# KiCad board panel.kicad_pcb (continued)
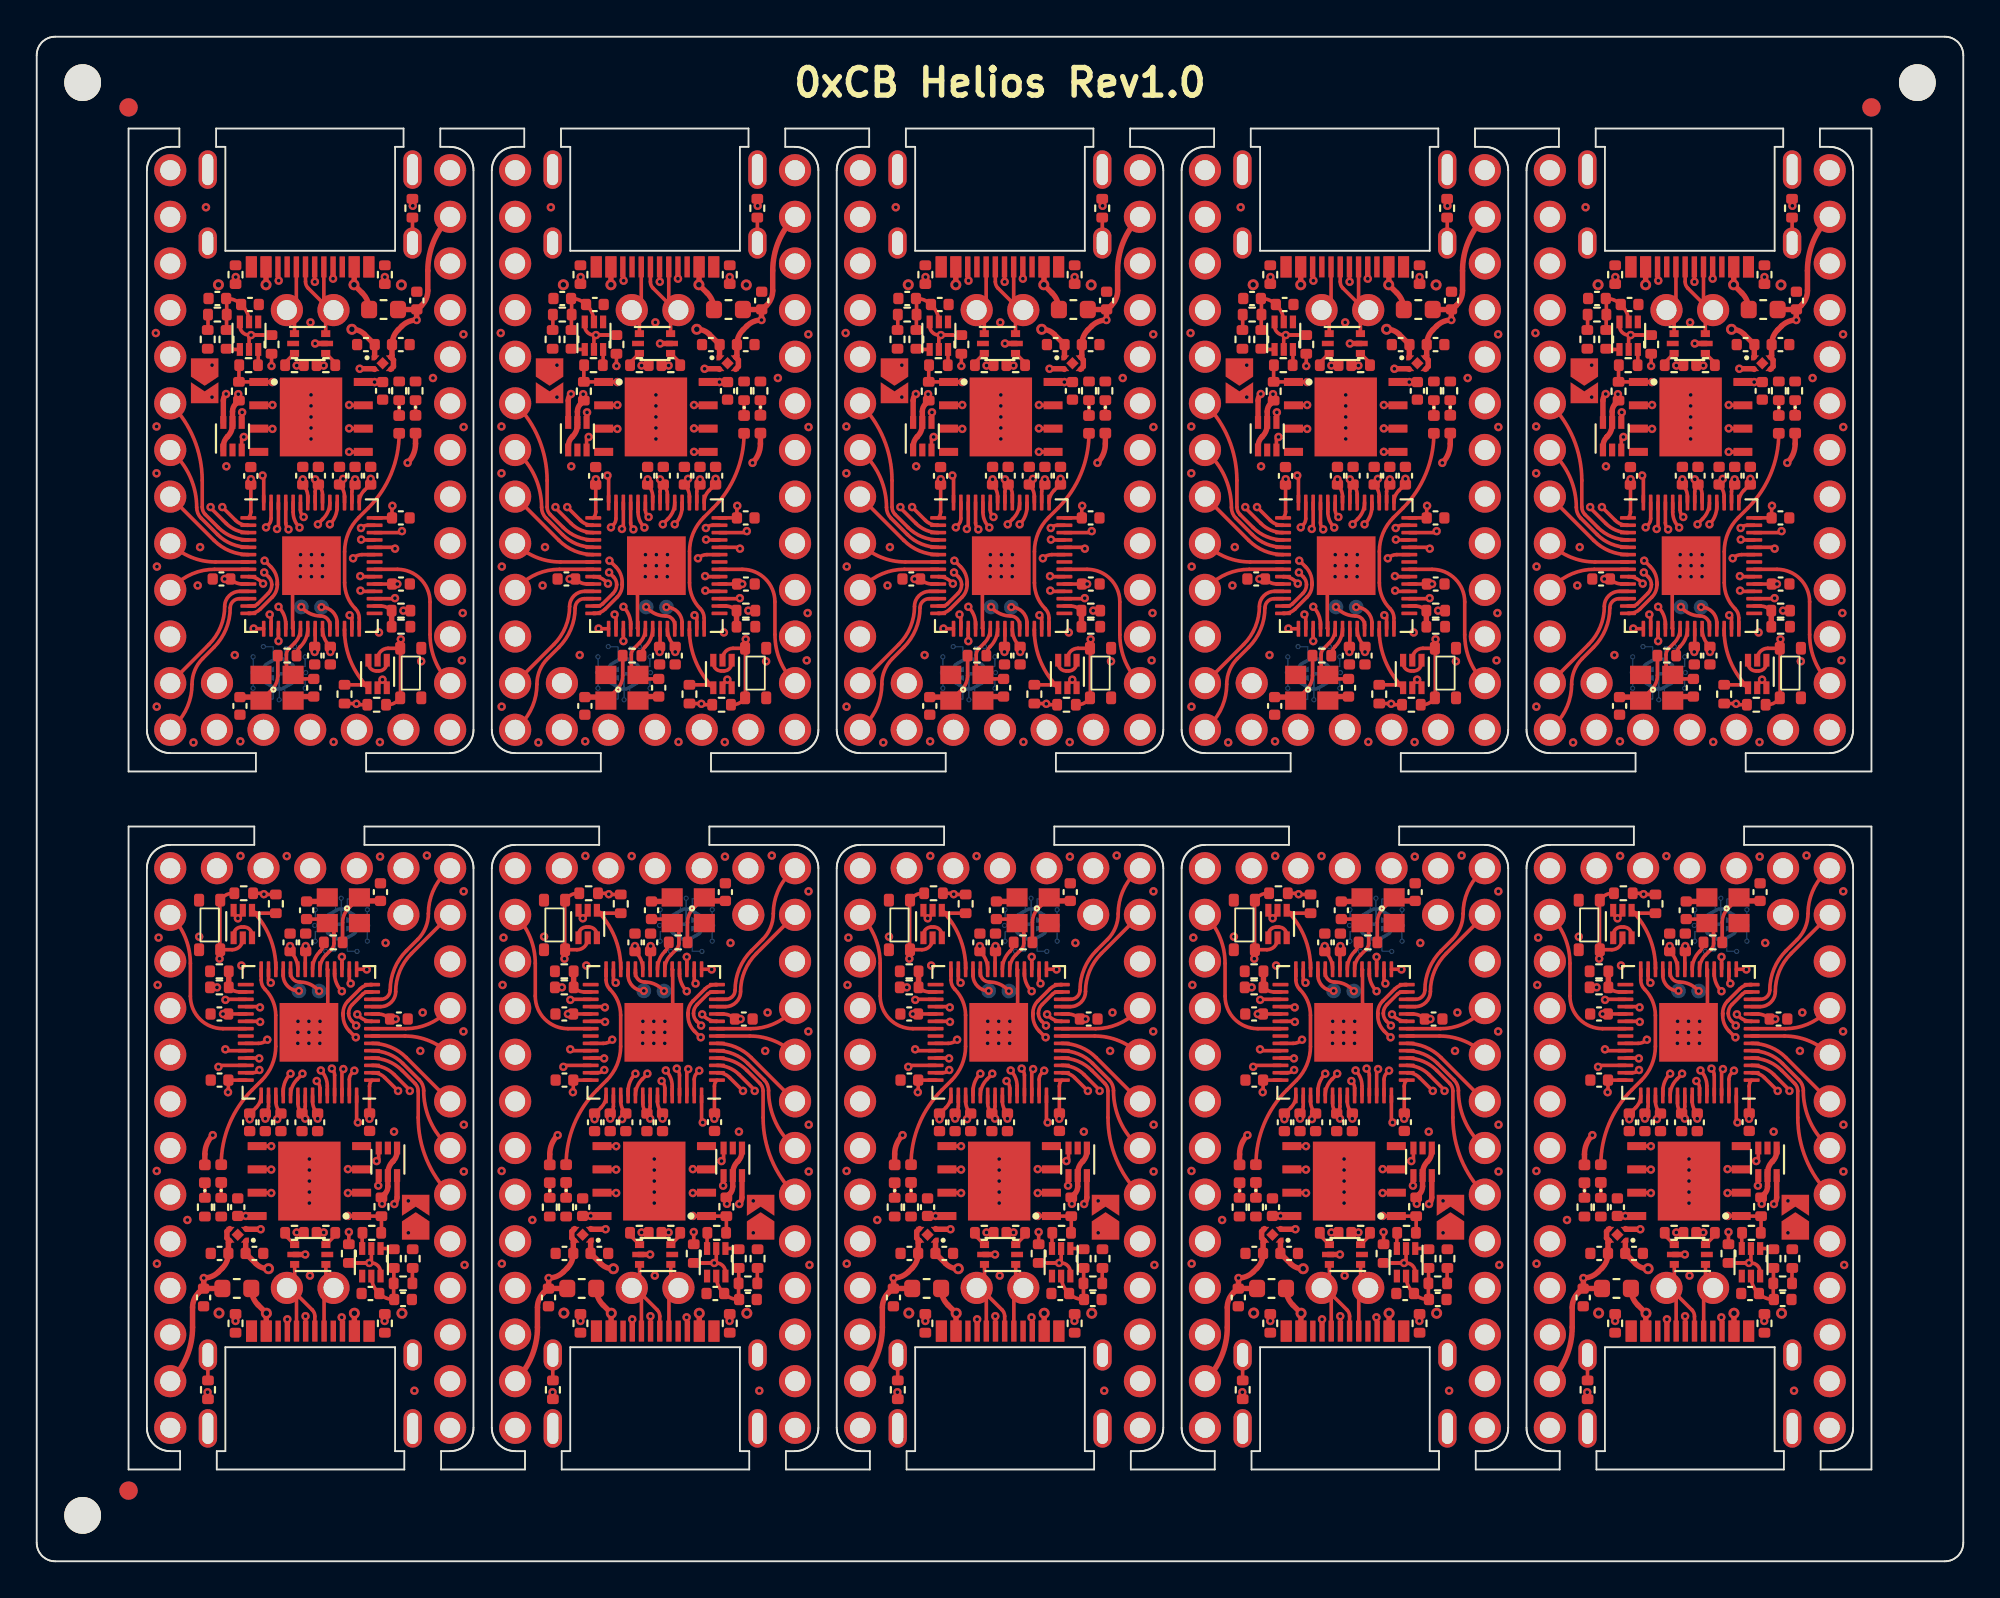
[diagram p0: board, top side]
## Routing (per net, layer and track width the routed paths; a pad name or vN(x,y) marks a point on that pad's centre or on a via; arc(x,y) is an arc through that point) (continued)
Board_0-/5: length 4.5
  Top w0.2: U4#7.7 9.73,54.43 arc(8.4,54.7) J2#6.9
Board_0-/6: length 4.6
  Top w0.2: U4#7.8 9.68,54.03 arc(8.49,53.79) 7.48,53.12 J2#6.10
Board_0-/7: length 6.9
  Top w0.2: U4#7.9 11.56,53.63 arc(11.92,53.56) 12.22,53.35 v1(12.32,53.25)
  In2.Cu w0.2: v1(12.32,53.25) 10.98,51.91 arc(9.28,50.77) J2#6.11
Board_0-/8: length 7
  Top w0.2: U4#7.11 11.06,52.83 arc(10.48,52.59) 10.23,52.01 arc(10.01,50.89) 9.38,49.94 J2#6.12
Board_0-/9: length 8.9
  Top w0.2: J2#6.13 7.54,45.56 arc(8.22,46.57) 8.45,47.77 arc(8.61,48.53) 9.04,49.17 9.64,49.78 arc(10.3,50.77) 10.54,51.93 arc(10.68,52.28) 11.04,52.43 U4#7.12
Board_0-/10: length 26.5
  Top w0.2: v1(12.39,53.86) 12.62,53.62 arc(12.75,53.43) 12.8,53.2 arc(12.75,52.94) 12.6,52.72 12.03,52.15 arc(11.9,52.06) 11.75,52.03 U4#7.13
  In2.Cu w0.2: v1(12.39,53.86) 12.35,53.86 9.07,57.14 arc(8.66,57.76) 8.52,58.48 8.52,72.76 arc(8.19,74.39) J2#6.1
Board_0-/11: length 38
  Top w0.2: U4#7.14 11.61,51.63 arc(11.91,51.69) 12.17,51.86 12.82,52.51 arc(13.03,52.82) 13.1,53.18 13.1,53.31 arc(13.01,53.78) 12.74,54.17 12.42,54.5 v1(12.41,54.5)
  In1.Cu w0.2: v1(12.41,54.5) 12.41,54.69 arc(12.31,54.91) 12.09,55 arc(11.23,55.36) 10.88,56.22 10.88,56.45 arc(10.71,57.28) 10.24,57.98 9.58,58.64 arc(9.12,59.34) 8.95,60.16 8.95,68.65 arc(9.51,69.98) 10.84,70.53 20.12,70.53 arc(20.95,70.87) 21.3,71.71 21.3,72.84 arc(21.61,74.42) J2#6.31
Board_0-/12: length 6.6
  Top w0.2: v1(11.81,50.81) 11.82,50.79 U4#7.15
  In1.Cu w0.2: v1(11.81,50.81) 11.81,50.12 arc(11.29,47.51) J2#6.14
Board_0-/13: length 7.2
  Top w0.2: U4#7.16 12.76,51.5 v1(12.68,51.57)
  In1.Cu w0.2: J2#6.15 12.35,50.76 arc(12.44,51.2) v1(12.68,51.57)
Board_0-/14: length 6
  Top w0.2: U4#7.17 13.16,50.13 v1(13.16,50.12)
  In1.Cu w0.2: v1(13.16,50.12) 13.16,49.45 arc(13.61,47.2) J2#6.16
Board_0-/15: length 9.5
  Top w0.2: U4#7.18 13.56,51.04 arc(13.46,51.55) v1(13.16,51.99)
  In1.Cu w0.2: J2#6.17 14.89,47.83 arc(14.06,49.08) 13.77,50.54 arc(13.61,51.33) v1(13.16,51.99)
Board_0-/16: length 7.9
  Top w0.2: U4#7.27 17.16,51.41 v1(17.03,51.53)
  In1.Cu w0.2: J2#6.18 19.37,45.89 arc(17.64,48.48) v1(17.03,51.53)
Board_0-/20_SDI: length 4.9
  Top w0.2: v1(19.51,52.46) 19.48,52.43 U4#7.31
  In1.Cu w0.2: J2#6.21 21.07,51.81 arc(20.35,52.29) v1(19.51,52.46)
Board_0-/21_CS: length 10.1
  Top w0.2: v1(17.62,52.87) 17.66,52.83 U4#7.32
  In1.Cu w0.2: J2#6.19 19.61,48.19 arc(18.31,50.02) 17.68,52.16 17.68,52.82 v1(17.62,52.87)
Board_0-/22_SCK: length 5.9
  Top w0.2: U4#7.34 17.65,53.63 v1(17.62,53.66)
  In1.Cu w0.2: v1(17.62,53.66) 17.66,53.7 20.59,53.7 arc(21.63,53.5) J2#6.22
Board_0-/23_SDO: length 8.7
  Top w0.2: U4#7.35 19.64,54.03 arc(20.89,53.51) 21.41,52.25 21.41,50.47 arc(21.7,49.04) J2#6.20
Board_0-/A0: length 4.2
  Top w0.2: U4#7.38 19.44,55.23 v1(19.51,55.16)
  In1.Cu w0.2: v1(19.51,55.16) 21.8,55.16 arc(22.18,55.23) J2#6.23
Board_0-/A1: length 6.5
  Top w0.2: v1(17.66,55.65) 17.69,55.63 U4#7.39
  In1.Cu w0.2: J2#6.24 20.41,55.89 arc(20.12,55.7) 19.78,55.63 17.69,55.63 v1(17.66,55.65)
Board_0-/A2: length 6.8
  Top w0.2: U4#7.40 19.8,56.03 v1(19.88,56.11)
  In1.Cu w0.2: J2#6.25 21.15,59.17 arc(20.21,57.77) v1(19.88,56.11)
Board_0-/A3: length 9.4
  Top w0.2: v1(17.66,56.28) 17.66,56.28 arc(17.82,56.39) 18.01,56.43 U4#7.41
  In1.Cu w0.2: J2#6.26 21.64,62.2 arc(21.35,61.76) 21.24,61.24 arc(21.02,60.13) 20.4,59.19 17.66,56.45 v1(17.66,56.28)
Board_0-/BOOT: length 0.7
  Top w0.2: 12.06,65.28 Q2#2.3
Board_0-/D+: length 11.1
  Top w0.2: v1(14.16,65.13) 14.18,65.15 R12#6.2 ; v1(15.31,56.48) 15.31,56.5 15.59,56.78 arc(15.86,57.19) U4#7.47
  In1.Cu w0.2: v1(15.31,56.48) 15.31,56.5 arc(15.55,56.86) 15.63,57.28 15.63,62.86 arc(15.51,63.5) 15.14,64.05 14.14,65.06 14.14,65.11 v1(14.16,65.13)
Board_0-/D-: length 11.2
  Top w0.2: R13#8.2 15.61,65.15 v1(15.62,65.13) ; U4#7.46 16.36,57.45 arc(16.26,56.92) v1(15.96,56.48)
  In1.Cu w0.2: v1(15.62,65.13) 15.79,64.96 arc(15.92,64.78) 15.96,64.56 arc(15.92,64.45) 15.81,64.41 15.62,64.41 arc(15.52,64.36) 15.47,64.26 arc(15.52,64.15) 15.62,64.11 15.81,64.11 arc(15.92,64.06) 15.96,63.96 v1(15.96,56.48)
Board_0-/LED: length 11.7
  Top w0.2: U4#7.28 17.56,51.38 arc(17.51,51.65) 17.35,51.88 arc(16.92,52.53) 16.77,53.3 16.77,55 arc(16.96,56) 17.53,56.85 18.05,57.36 arc(19.3,59.23) D2#2.2
Board_0-/PORT+: length 7.1
  Top w0.2: J1#5.A6 15.14,69.7 v1(15.14,69.69) ; U1#8.1 14.04,67.74 J2#6.34 14.14,68.67 J1#5.B6
  In1.Cu w0.2: J2#6.34 13.79,68.15 15.14,69.51 v1(15.14,69.69)
Board_0-/PORT-: length 7.1
  Top w0.2: J2#6.33 15.64,68.68 J1#5.B7 ; J2#6.33 15.73,67.73 U1#8.6 ; J2#6.33 15.98,68.15 14.78,69.34 arc(14.67,69.51) 14.64,69.7 J1#5.A7
Board_0-/QSPI_CLK: length 11.3
  Top w0.2: U4#7.52 13.96,57.15 arc(14.05,56.69) v1(14.31,56.31) ; v1(17.01,61.71) 17.02,61.7 U3#5.6
  In2.Cu w0.2: v1(14.31,56.31) 14.31,56.41 arc(13.85,57.1) 13.68,57.91 13.68,59.19 arc(13.86,59.61) 14.28,59.78 16.98,59.78 arc(17.34,59.93) 17.48,60.28 17.48,60.56 arc(17.36,61.18) v1(17.01,61.71)
Board_0-/QSPI_CS: length 9.6
  Top w0.2: R9#6.1 11.01,65.14 R11#2.2 12.09,64.24 U3#5.1 12.83,64.24 v1(12.84,64.23) ; v1(12.3,59.14) 12.36,59.08 12.36,57.69
  In2.Cu w0.2: v1(12.3,59.14) arc(12.12,59.4) 12.06,59.7 12.06,62.36 arc(12.26,63.37) v1(12.84,64.23)
Board_0-/QSPI_SD0: length 11.3
  Top w0.2: v1(13.71,56.21) 13.71,56.21 arc(13.6,56.37) 13.56,56.56 U4#7.53 ; v1(17.01,60.43) 17.02,60.43 U3#5.5
  In2.Cu w0.2: v1(13.71,56.21) 13.71,56.28 arc(13.47,56.64) 13.39,57.06 13.39,59.24 arc(13.63,59.83) 14.22,60.08 15.05,60.08 arc(15.16,60.12) 15.2,60.23 15.2,60.48 arc(15.25,60.59) 15.36,60.63 arc(15.46,60.59) 15.5,60.48 15.5,60.23 arc(15.55,60.12) 15.66,60.08 arc(15.76,60.12) 15.8,60.23 15.8,60.48 arc(15.85,60.59) 15.95,60.63 arc(16.06,60.59) 16.11,60.48 16.11,60.23 arc(16.15,60.12) 16.25,60.08 arc(16.63,60.15) 16.95,60.37 v1(17.01,60.43)
Board_0-/QSPI_SD1: length 11.4
  Top w0.2: v1(12.48,56.32) 12.61,56.44 arc(12.72,56.61) 12.76,56.8 U4#7.55 ; U3#5.2 12.82,62.97 v1(12.84,62.98)
  In2.Cu w0.2: v1(12.48,56.32) 12.65,56.48 arc(12.75,56.63) 12.79,56.8 arc(12.74,56.91) 12.64,56.95 12.54,56.95 arc(12.43,56.99) 12.39,57.1 arc(12.43,57.21) 12.54,57.25 12.64,57.25 arc(12.74,57.29) 12.79,57.4 arc(12.74,57.51) 12.64,57.55 12.54,57.55 arc(12.43,57.59) 12.39,57.7 arc(12.43,57.81) 12.54,57.85 12.64,57.85 arc(12.74,57.89) 12.79,58 arc(12.74,58.11) 12.64,58.15 12.54,58.15 arc(12.43,58.19) 12.39,58.3 arc(12.43,58.41) 12.54,58.45 12.64,58.45 arc(12.74,58.49) 12.79,58.6 12.79,59.16 arc(12.75,59.35) 12.64,59.51 12.51,59.64 arc(12.4,59.81) 12.36,60 12.36,60.34 arc(12.4,60.44) 12.51,60.49 12.61,60.49 arc(12.72,60.53) 12.76,60.64 arc(12.72,60.74) 12.61,60.79 12.51,60.79 arc(12.4,60.83) 12.36,60.94 12.36,61.84 arc(12.48,62.45) v1(12.84,62.98)
Board_0-/QSPI_SD2: length 11.3
  Top w0.2: v1(13.09,56.23) 13.16,56.31 U4#7.54 ; v1(12.84,61.68) 12.82,61.7 U3#5.3
  In2.Cu w0.2: v1(13.09,56.23) 13.09,60.23 arc(13.13,60.34) 13.23,60.38 13.93,60.38 arc(14.04,60.42) 14.09,60.53 arc(14.04,60.64) 13.93,60.68 13.23,60.68 arc(13.13,60.72) 13.09,60.83 arc(13.13,60.94) 13.23,60.98 13.93,60.98 arc(14.04,61.02) 14.09,61.13 arc(14.04,61.24) 13.93,61.28 13.23,61.28 arc(13.13,61.32) 13.09,61.43 v1(12.84,61.68)
Board_0-/QSPI_SD3: length 11.4
  Top w0.2: v1(17.01,62.98) 17.02,62.97 U3#5.7 ; v1(14.54,56.88) 14.51,56.91 arc(14.4,57.07) 14.36,57.26 U4#7.51
  In2.Cu w0.2: v1(14.54,56.88) arc(14.13,57.49) 13.99,58.2 13.99,59.13 arc(14.08,59.36) 14.32,59.46 17,59.46 arc(17.58,59.7) 17.83,60.28 17.83,61.01 arc(17.61,62.08) v1(17.01,62.98)
Board_0-/RESET: length 24.4
  Top w0.2: 19.81,49.73 19.81,50.21 v1(19.83,50.22) ; 19.81,49.73 19.81,47.24 arc(19.77,47.05) 19.66,46.88 arc(19.41,46.71) 19.11,46.66 R1#10.2 ; 19.81,49.73 19.14,49.73 arc(18.73,49.56) 18.56,49.15 Q1.2
  In2.Cu w0.2: v1(19.83,50.22) arc(20.67,51.49) 20.97,52.98 20.97,64.43 arc(21.37,66.44) J2#6.28
Board_0-/RGB_5V: length 17.5
  Top w0.2: U5.4 11.16,62.56 v1(11.18,62.58)
  In2.Cu w0.2: v1(11.18,62.58) arc(10.9,62.15) 10.8,61.65 10.8,58.16 arc(11.03,57) 11.69,56.02 12.96,54.75 arc(13.27,54.28) 13.38,53.73 arc(13.26,53.12) 12.91,52.6 11,50.7 arc(10.12,49.38) J2#6.32
Board_0-/RGB_DO: length 15.4
  Top w0.2: U4#7.37 17.71,54.83 arc(17.45,54.78) v1(17.23,54.63) ; U5.3 11.16,61.13 v1(11.27,61.24)
  In1.Cu w0.2: v1(11.27,61.24) 10.48,61.24 arc(9.83,60.97) 9.55,60.31 arc(9.7,59.58) 10.12,58.96 10.89,58.18 arc(11.33,57.53) 11.48,56.76 11.48,56.25 arc(11.67,55.79) 12.12,55.6 15.36,55.6 arc(16.18,55.44) 16.88,54.98 v1(17.23,54.63)
Board_0-/RST: length 4.9
  Top w0.2: U4#7.26 16.76,50.72 arc(17.1,49.02) Q1.4 18.05,47.59 arc(17.88,47.7) 17.69,47.74 R3#6.2
Board_0-/SWD_CLK: length 2.2
  Top w0.2: v1(14.41,51.98) 14.5,51.89 arc(14.94,51.59) 15.46,51.49 arc(15.81,51.34) 15.96,50.99 U4#7.24
Board_0-/SWD_IO: length 1.7
  Top w0.2: U4#7.25 16.36,51.12 arc(16.11,51.72) v1(15.5,51.97)
Board_0-/USB+: length 0.9
  Top w0.2: U1#8.3 13.52,65.28 R12#6.1
Board_0-/USB-: length 0.9
  Top w0.2: U1#8.4 16.25,65.27 R13#8.1
Board_0-GND: length 7.7
  Top w0.2: Q1.1 19.06,48.92 arc(18.93,48.62) 18.63,48.5 18.49,48.5 arc(18.19,48.62) 18.06,48.92 Q1.3 ; v1(14.96,54.23) 13.93,53.2 13.93,50.82 U4#7.19
  Top w0.3: v1(17.59,64.96) 18.37,64.96 U2#2.2 ; C7.1 14.18,47.1 Y1#2.2
  vias: v1(6.48,66.9) v1(6.52,61.81) v1(6.52,59.26) v1(6.55,54.18) v1(6.54,46.55) v1(8.54,44.6) v1(8.77,53.15) v1(8.89,55.24) v1(9.21,73.75) v1(10.79,49.36) v1(11.09,44.66) v1(14.36,54.83) v1(14.36,54.23) v1(14.36,53.63) v1(14.91,67.48) v1(14.93,63.53) v1(14.93,62.93) v1(14.93,62.33) v1(14.93,61.73) v1(14.93,61.13) v1(14.96,54.83) v1(14.96,53.63) v1(15.57,54.83) v1(15.56,54.23) v1(15.55,53.63) v1(16.16,44.63) v1(18.63,50.59) v1(18.69,44.62) v1(20.48,73.83) v1(20.94,49.02) v1(21.58,64.45) v1(23.15,49.07) v1(23.23,66.83) v1(23.24,61.78) v1(23.2,51.65) v2(9.89,69.53) v2(19.85,69.52)
Board_0-Net-(C1-Pad1): length 3.7
  Top w0.2: 10.34,67.06 10.34,67.9 10.34,67.91 10.34,68.75 C1#4.1 10.35,68.78 arc(10.77,68.7) C2#5.1 11.19,68.39 arc(11.46,67.99) Q2#2.5
Board_0-Net-(C7-Pad2): length 4.1
  Top w0.2: C7.2 14.18,48.06 Y1#2.3 13.74,48.5 arc(13.63,48.66) 13.59,48.85 13.59,49.38 arc(13.63,49.56) 13.73,49.71 14.04,50.02 arc(14.28,50.37) U4#7.20
Board_0-Net-(C8-Pad2): length 4
  Top w0.2: Y1#2.1 12.81,47.48 arc(13.04,47.83) 13.12,48.24 R14#6.1
  Top w0.3: Y1#2.1 12.02,47.07 C8#7.2
Board_0-Net-(D1-Pad1): length 0.8
  Top w0.2: D1#5.1 R10#10.1
Board_0-Net-(D1-Pad2): length 24.6
  Top w0.2: JP1#7.2 9.31,63.41 v1(9.55,63.41)
  Top w0.3: D1#5.2 20.62,60.87 arc(20.51,60.31) v1(20.2,59.83)
  In1.Cu w0.2: v1(20.2,59.83) 20.17,59.83 17.33,56.99 arc(16.97,56.12) 17.33,55.25 17.57,55.01 arc(17.71,54.65) 17.57,54.3 17.55,54.28 arc(17.2,54.14) 16.84,54.28 16.13,54.99 arc(15.79,55.22) 15.38,55.3 12.1,55.3 arc(11.45,55.58) 11.18,56.23 11.18,56.62 arc(11.02,57.41) 10.57,58.08 9.82,58.83 arc(9.4,59.46) 9.25,60.2 9.25,62.71 arc(9.33,63.09) v1(9.55,63.41)
Board_0-Net-(D2-Pad1): length 0.8
  Top w0.2: D2#2.1 R15#10.1
Board_0-Net-(FB1-Pad1): length 1.4
  Top w0.2: J1#5.S1 20.46,73.19 FB1#3.1
Board_0-Net-(J1-PadA5): length 4
  Top w0.2: J1#5.A5 v1(16.14,69.86) ; R7#4.2 v1(18.95,69.95)
  In1.Cu w0.2: v1(18.95,69.95) 18.85,70.05 16.33,70.05 v1(16.14,69.86)
Board_0-Net-(J1-PadB5): length 3.7
  Top w0.2: R8#6.2 10.82,69.94 v1(10.84,69.95) ; J1#5.B5 13.14,69.79 v1(13.17,69.75)
  In1.Cu w0.2: v1(10.84,69.95) 10.94,70.05 12.87,70.05 v1(13.17,69.75)
Board_0-Net-(Q1-Pad5): length 28.5
  Top w0.2: 12.31,66.79 11.56,66.79 arc(11.21,66.94) 11.06,67.29 Q2#2.6 ; 12.31,66.79 R2.2 ; 12.31,66.79 v1(11.67,66.79) 11.56,66.68 Q2#2.2 ; Q1.5 18.56,47.76 v1(18.83,48.02) 19.06,47.79 Q1.6
  In2.Cu w0.2: v1(11.67,66.79) 11.55,66.67 arc(11.44,66.5) 11.4,66.31 11.4,64.23 arc(11.44,64.04) 11.55,63.88 11.58,63.84 arc(11.71,63.64) 11.76,63.41 11.76,60.84 arc(11.68,60.45) 11.46,60.12 arc(11.19,59.72) 11.1,59.25 11.1,58.27 arc(11.33,57.12) 11.98,56.15 13.23,54.9 arc(13.56,54.4) 13.68,53.82 13.68,51.42 arc(14.67,49.02) 17.08,48.02 18.82,48.02 v1(18.83,48.02)
Board_0-Net-(Q2-Pad1): length 0.7
  Top w0.2: Q2#2.1 10.38,66.01 R4#3.1
Board_0-Net-(R5-Pad2): length 0.8
  Top w0.2: 9.31,67.06 9.32,67.08 R5.2
Board_0-Net-(R14-Pad2): length 1.6
  Top w0.2: 14.14,49.33 arc(14.2,49.59) 14.34,49.81 14.36,49.83 arc(14.66,50.27) U4#7.21
Board_0-VBUS: length 28.7
  Top w0.2: v1(19.97,51.78) R16#8.1
  Top w0.3: v2(12.48,69.53) 12.48,70.5 ; 17.28,70.5 17.28,69.54 v2(17.27,69.53) 17.72,69.08 arc(18,68.67) F1#4.1
  In2.Cu w0.2: v1(19.97,51.78) arc(20.49,52.56) 20.67,53.48 20.67,61.34 arc(19.79,65.77) v2(17.27,69.53)
  In2.Cu w0.3: v2(12.48,69.53) arc(12.75,70.18) 13.4,70.45 16.36,70.45 arc(17.01,70.18) v2(17.27,69.53)
Board_1-+1V1: length 15.6
  Top w0.2: U4#9.50 33.54,57.99 arc(33.47,58.35) C17#6.1 v1(33.27,58.93) ; U4#9.45 35.54,57.99 arc(35.47,58.35) C10#10.2 ; v1(34.77,49.53) C19#5.1 34.73,49.84 arc(34.44,50.28) U4#9.23
  In2.Cu w0.2: v1(33.27,58.93) 34.34,57.86 ; v1(35.47,58.96) 34.37,57.86 34.34,57.86 ; 34.34,57.86 34.76,57.43 arc(35.13,56.88) 35.27,56.22 35.27,50.74 arc(35.14,50.08) v1(34.77,49.53)
Board_1-+3V3: length 20.9
  Top w0.2: v1(36.97,58.96) 36.97,58.68 36.61,58.33 arc(36.41,58.03) U4#9.43 ; v1(38.41,53.23) C12#2.1 37.15,53.23 ; v1(36.12,58.93) C9#10.2 36.09,58.62 arc(35.98,58.46) 35.94,58.27 U4#9.44 ; R1#8.1 36.24,46.66 v1(36.19,46.71) 36.17,46.72 R3#9.1 ; v1(29.76,63.57) 29.79,63.54 R11#5.1 ; R2#8.1 v1(31.56,65.11) ; C6#9.1 v1(37.17,64.23) 37.17,64.24 U3#7.8 ; C11#3.1 33.94,49.84 U4#9.22 ; C14#7.1 34.09,58.62 arc(33.98,58.46) 33.94,58.27 U4#9.49 ; C14#7.1 34.12,58.76 v1(33.94,58.93) ; C14#7.1 arc(34.28,58.4) 34.34,58.11 U4#9.48 ; v1(29.02,53.51) C15.1 arc(29.62,53.3) 29.98,53.23 U4#9.10 ; 37.15,56.83 C13#4.1 38.12,57.47 v1(38.15,57.49) ; 30.44,58.35 30.44,57.16 arc(30.4,56.98) U4#9.1 ; C16.1 30.44,58.93 v1(30.45,58.94)
  Top w0.3: C5#5.1 36.63,66.83 arc(36.31,67.04) 35.95,67.11 ; R11#5.1 29.61,63.04 arc(29.49,62.85) 29.44,62.62 U5#9.5 29.44,61.91 arc(29.37,61.56) 29.17,61.26 29.16,61.25 arc(29,61.01) 28.94,60.72 U5#9.1 ; U2#7.1 37.18,66.27
  vias: v1(28.33,65.15) v1(29.1,59.64) v1(33.91,49.53) v2(35.94,67.11)
Board_1-+5V: length 25.3
  Top w0.3: 39.47,68.18 C3#4.1 39.52,68.19 39.74,68.41 arc(39.99,68.78) 40.08,69.21 40.08,70.3 arc(40.39,71.88) J2#9.30 ; 39.47,68.18 F1#2.2 ; 39.47,68.18 v1(39.47,67.61) arc(39.03,67.52) 38.66,67.28 38.46,67.07 arc(38.21,66.7) C4#10.1 38.12,65.67 U2#7.4 38.2,65.44 38.2,65.07 U2#7.3 ; U5#9.6 28.94,63.22 arc(28.98,63.41) 29.09,63.58 v1(29.09,63.58) ; U1#5.5 v1(33.94,66.33)
  In1.Cu w0.3: v1(29.09,63.58) arc(29.87,65.47) 31.77,66.26 33.87,66.26 v1(33.94,66.33) 34.02,66.25 36.18,66.25 arc(37.96,66.6) v1(39.47,67.61)
Board_1-/0_TX0: length 18.4
  Top w0.2: v1(28.88,57.42) 29.61,56.7 arc(29.9,56.5) 30.25,56.43 U4#9.2
  In1.Cu w0.2: J2#9.2 26.05,72.66 arc(26.09,72.47) 26.2,72.31 26.23,72.27 arc(27.12,70.94) 27.44,69.36 27.44,60.13 arc(27.62,59.22) 28.13,58.45 28.69,57.89 arc(28.83,57.67) v1(28.88,57.42)
Board_1-/1_RX0: length 16.4
  Top w0.2: v1(28.24,57.42) 28.24,57.38 29.09,56.53 arc(29.65,56.16) U4#9.3
  In1.Cu w0.2: v1(28.24,57.42) 28.24,57.44 arc(28.16,57.88) 27.91,58.24 arc(27.34,59.11) 27.13,60.12 27.13,68.07 arc(26.85,69.49) J2#9.3
Board_1-/2_SDA1: length 9.4
  Top w0.2: U4#9.4 arc(29.42,55.81) 28.67,56.31 27.96,57.01 arc(27.83,57.2) 27.79,57.43 27.79,58.87 arc(27.34,61.14) J2#9.6
Board_1-/3_SCL1: length 7.3
  Top w0.2: J2#9.7 26.3,60.28 arc(27.18,58.96) 27.49,57.4 arc(27.55,57.09) 27.73,56.82 28.63,55.92 arc(29.4,55.41) U4#9.5
Board_1-/4: length 5.4
  Top w0.2: J2#9.8 28.44,55.6 arc(29.29,55.03) U4#9.6
Board_1-/5: length 4.5
  Top w0.2: U4#9.7 28.51,54.43 arc(27.18,54.7) J2#9.9
Board_1-/6: length 4.6
  Top w0.2: U4#9.8 28.46,54.03 arc(27.27,53.79) 26.26,53.12 J2#9.10
Board_1-/7: length 6.9
  Top w0.2: v1(31.1,53.25) 31,53.35 arc(30.7,53.56) 30.34,53.63 U4#9.9
  In2.Cu w0.2: v1(31.1,53.25) 29.76,51.91 arc(28.06,50.77) J2#9.11
Board_1-/8: length 7
  Top w0.2: J2#9.12 28.16,49.94 arc(28.79,50.89) 29.02,52.01 arc(29.26,52.59) 29.84,52.83 U4#9.11
Board_1-/9: length 8.9
  Top w0.2: J2#9.13 26.32,45.56 arc(27,46.57) 27.23,47.77 arc(27.39,48.53) 27.82,49.17 28.42,49.78 arc(29.08,50.77) 29.31,51.93 arc(29.46,52.28) 29.81,52.43 U4#9.12
Board_1-/10: length 26.5
  Top w0.2: v1(31.16,53.86) 31.4,53.62 arc(31.53,53.43) 31.58,53.2 arc(31.53,52.94) 31.38,52.72 30.81,52.15 arc(30.68,52.06) 30.53,52.03 U4#9.13
  In2.Cu w0.2: v1(31.16,53.86) 31.13,53.86 27.85,57.14 arc(27.44,57.76) 27.3,58.48 27.3,72.76 arc(26.97,74.39) J2#9.1
Board_1-/11: length 38
  Top w0.2: v1(31.19,54.5) 31.2,54.5 31.52,54.17 arc(31.79,53.78) 31.88,53.31 31.88,53.18 arc(31.81,52.82) 31.6,52.51 30.95,51.86 arc(30.69,51.69) 30.39,51.63 U4#9.14
  In1.Cu w0.2: v1(31.19,54.5) 31.19,54.69 arc(31.09,54.91) 30.87,55 arc(30.01,55.36) 29.66,56.22 29.66,56.45 arc(29.49,57.28) 29.02,57.98 28.36,58.64 arc(27.9,59.34) 27.73,60.16 27.73,68.65 arc(28.29,69.98) 29.62,70.53 38.9,70.53 arc(39.73,70.87) 40.08,71.71 40.08,72.84 arc(40.39,74.42) J2#9.31
Board_1-/12: length 6.6
  Top w0.2: U4#9.15 30.6,50.79 v1(30.59,50.81)
  In1.Cu w0.2: v1(30.59,50.81) 30.59,50.12 arc(30.07,47.51) J2#9.14
Board_1-/13: length 7.2
  Top w0.2: U4#9.16 31.54,51.5 v1(31.47,51.57)
  In1.Cu w0.2: J2#9.15 31.13,50.76 arc(31.22,51.2) v1(31.47,51.57)
Board_1-/14: length 6
  Top w0.2: U4#9.17 31.94,50.13 v1(31.95,50.12)
  In1.Cu w0.2: v1(31.95,50.12) 31.95,49.45 arc(32.39,47.2) J2#9.16
Board_1-/15: length 9.5
  Top w0.2: U4#9.18 32.34,51.04 arc(32.24,51.55) v1(31.95,51.99)
  In1.Cu w0.2: J2#9.17 33.67,47.83 arc(32.84,49.08) 32.55,50.54 arc(32.39,51.33) v1(31.95,51.99)
Board_1-/16: length 7.9
  Top w0.2: U4#9.27 35.94,51.41 v1(35.81,51.53)
  In1.Cu w0.2: J2#9.18 38.15,45.89 arc(36.42,48.48) v1(35.81,51.53)
Board_1-/20_SDI: length 4.9
  Top w0.2: v1(38.28,52.46) 38.26,52.43 U4#9.31
  In1.Cu w0.2: J2#9.21 39.85,51.81 arc(39.13,52.29) v1(38.28,52.46)
Board_1-/21_CS: length 10.1
  Top w0.2: v1(36.41,52.87) 36.45,52.83 U4#9.32
  In1.Cu w0.2: v1(36.41,52.87) 36.46,52.82 36.46,52.16 arc(37.09,50.02) 38.39,48.19 J2#9.19
Board_1-/22_SCK: length 5.9
  Top w0.2: v1(36.4,53.66) 36.42,53.63 U4#9.34
  In1.Cu w0.2: v1(36.4,53.66) 36.44,53.7 39.37,53.7 arc(40.41,53.5) J2#9.22
Board_1-/23_SDO: length 8.7
  Top w0.2: U4#9.35 38.42,54.03 arc(39.67,53.51) 40.2,52.25 40.2,50.47 arc(40.48,49.04) J2#9.20
Board_1-/A0: length 4.2
  Top w0.2: v1(38.29,55.16) 38.22,55.23 U4#9.38
  In1.Cu w0.2: v1(38.29,55.16) 40.58,55.16 arc(40.96,55.23) J2#9.23
Board_1-/A1: length 6.5
  Top w0.2: U4#9.39 36.47,55.63 v1(36.45,55.65)
  In1.Cu w0.2: v1(36.45,55.65) 36.47,55.63 38.56,55.63 arc(38.9,55.7) 39.19,55.89 J2#9.24
Board_1-/A2: length 6.8
  Top w0.2: v1(38.66,56.11) 38.59,56.03 U4#9.40
  In1.Cu w0.2: J2#9.25 39.93,59.17 arc(38.99,57.77) v1(38.66,56.11)
Board_1-/A3: length 9.4
  Top w0.2: v1(36.44,56.28) 36.44,56.28 arc(36.6,56.39) 36.79,56.43 U4#9.41
  In1.Cu w0.2: v1(36.44,56.28) 36.44,56.45 39.18,59.19 arc(39.8,60.13) 40.02,61.24 arc(40.13,61.76) 40.42,62.2 J2#9.26
Board_1-/BOOT: length 0.7
  Top w0.2: 30.84,65.28 Q2#10.3
Board_1-/D+: length 11.1
  Top w0.2: R12.2 32.95,65.15 v1(32.94,65.13) ; v1(34.09,56.48) 34.09,56.5 34.37,56.78 arc(34.64,57.19) U4#9.47
  In1.Cu w0.2: v1(34.09,56.48) 34.09,56.5 arc(34.33,56.86) 34.41,57.28 34.41,62.86 arc(34.29,63.5) 33.92,64.05 32.91,65.06 32.91,65.11 v1(32.94,65.13)
Board_1-/D-: length 11.2
  Top w0.2: v1(34.41,65.13) 34.38,65.15 R13#10.2 ; U4#9.46 35.14,57.45 arc(35.04,56.92) v1(34.74,56.48)
  In1.Cu w0.2: v1(34.41,65.13) 34.57,64.96 arc(34.7,64.78) 34.74,64.56 arc(34.7,64.45) 34.59,64.41 34.4,64.41 arc(34.3,64.36) 34.25,64.26 arc(34.3,64.15) 34.4,64.11 34.59,64.11 arc(34.7,64.06) 34.74,63.96 v1(34.74,56.48)
Board_1-/LED: length 11.7
  Top w0.2: U4#9.28 36.34,51.38 arc(36.29,51.65) 36.13,51.88 arc(35.7,52.53) 35.55,53.3 35.55,55 arc(35.74,56) 36.31,56.85 36.83,57.36 arc(38.08,59.23) D2#8.2
Board_1-/PORT+: length 7.1
  Top w0.2: J1#9.B6 32.91,68.67 J2#9.34 32.81,67.74 U1#5.1 ; v1(33.92,69.69) 33.91,69.7 J1#9.A6
  In1.Cu w0.2: J2#9.34 32.56,68.15 33.92,69.51 v1(33.92,69.69)
Board_1-/PORT-: length 7.1
  Top w0.2: J2#9.33 34.52,67.73 U1#5.6 ; J2#9.33 34.76,68.15 33.56,69.34 arc(33.45,69.51) 33.41,69.7 J1#9.A7 ; J2#9.33 34.41,68.68 J1#9.B7
Board_1-/QSPI_CLK: length 11.3
  Top w0.2: U4#9.52 32.74,57.15 arc(32.83,56.69) v1(33.09,56.31) ; v1(35.79,61.71) 35.8,61.7 U3#7.6
  In2.Cu w0.2: v1(33.09,56.31) 33.09,56.41 arc(32.63,57.1) 32.47,57.91 32.47,59.19 arc(32.64,59.61) 33.06,59.78 35.76,59.78 arc(36.12,59.93) 36.26,60.28 36.26,60.56 arc(36.14,61.18) v1(35.79,61.71)
Board_1-/QSPI_CS: length 9.6
  Top w0.2: R9.1 29.79,65.14 R11#5.2 30.87,64.24 U3#7.1 31.61,64.24 v1(31.62,64.23) ; 31.14,57.69 31.14,59.08 v1(31.08,59.14)
  In2.Cu w0.2: v1(31.08,59.14) arc(30.9,59.4) 30.84,59.7 30.84,62.36 arc(31.04,63.37) v1(31.62,64.23)
Board_1-/QSPI_SD0: length 11.3
  Top w0.2: v1(32.49,56.21) 32.49,56.21 arc(32.38,56.37) 32.34,56.56 U4#9.53 ; v1(35.79,60.43) 35.8,60.43 U3#7.5
  In2.Cu w0.2: v1(35.79,60.43) 35.73,60.37 arc(35.41,60.15) 35.03,60.08 arc(34.93,60.12) 34.88,60.23 34.88,60.48 arc(34.84,60.59) 34.73,60.63 arc(34.63,60.59) 34.59,60.48 34.59,60.23 arc(34.54,60.12) 34.44,60.08 arc(34.33,60.12) 34.28,60.23 34.28,60.48 arc(34.24,60.59) 34.13,60.63 arc(34.03,60.59) 33.98,60.48 33.98,60.23 arc(33.94,60.12) 33.84,60.08 33,60.08 arc(32.41,59.83) 32.16,59.24 32.16,57.06 arc(32.25,56.64) 32.49,56.28 v1(32.49,56.21)
Board_1-/QSPI_SD1: length 11.4
  Top w0.2: U3#7.2 31.6,62.97 v1(31.62,62.98) ; U4#9.55 31.54,56.8 arc(31.5,56.61) 31.39,56.44 v1(31.27,56.32)
  In2.Cu w0.2: v1(31.27,56.32) 31.43,56.48 arc(31.53,56.63) 31.56,56.8 arc(31.52,56.91) 31.41,56.95 31.31,56.95 arc(31.21,56.99) 31.16,57.1 arc(31.21,57.21) 31.31,57.25 31.41,57.25 arc(31.52,57.29) 31.56,57.4 arc(31.52,57.51) 31.41,57.55 31.31,57.55 arc(31.21,57.59) 31.16,57.7 arc(31.21,57.81) 31.31,57.85 31.41,57.85 arc(31.52,57.89) 31.56,58 arc(31.52,58.11) 31.41,58.15 31.31,58.15 arc(31.21,58.19) 31.16,58.3 arc(31.21,58.41) 31.31,58.45 31.41,58.45 arc(31.52,58.49) 31.56,58.6 31.56,59.16 arc(31.53,59.35) 31.42,59.51 31.29,59.64 arc(31.18,59.81) 31.14,60 31.14,60.34 arc(31.18,60.44) 31.29,60.49 31.39,60.49 arc(31.5,60.53) 31.54,60.64 arc(31.5,60.74) 31.39,60.79 31.29,60.79 arc(31.18,60.83) 31.14,60.94 31.14,61.84 arc(31.26,62.45) v1(31.62,62.98)
Board_1-/QSPI_SD2: length 11.3
  Top w0.2: U4#9.54 31.94,56.31 v1(31.87,56.23) ; U3#7.3 31.6,61.7 v1(31.62,61.68)
  In2.Cu w0.2: v1(31.87,56.23) 31.87,60.23 arc(31.91,60.34) 32.02,60.38 32.72,60.38 arc(32.82,60.42) 32.87,60.53 arc(32.82,60.64) 32.72,60.68 32.02,60.68 arc(31.91,60.72) 31.87,60.83 arc(31.91,60.94) 32.02,60.98 32.72,60.98 arc(32.82,61.02) 32.87,61.13 arc(32.82,61.24) 32.72,61.28 32.02,61.28 arc(31.91,61.32) 31.87,61.43 v1(31.62,61.68)
Board_1-/QSPI_SD3: length 11.4
  Top w0.2: v1(35.79,62.98) 35.8,62.97 U3#7.7 ; U4#9.51 33.14,57.26 arc(33.18,57.07) 33.29,56.91 v1(33.31,56.88)
  In2.Cu w0.2: v1(35.79,62.98) arc(36.39,62.08) 36.6,61.01 36.6,60.28 arc(36.36,59.7) 35.78,59.46 33.1,59.46 arc(32.86,59.36) 32.77,59.13 32.77,58.2 arc(32.91,57.49) v1(33.31,56.88)
Board_1-/RESET: length 24.4
  Top w0.2: 38.59,49.73 37.92,49.73 arc(37.51,49.56) 37.34,49.15 Q1#4.2 ; 38.59,49.73 38.59,47.24 arc(38.55,47.05) 38.44,46.88 arc(38.19,46.71) 37.89,46.66 R1#8.2 ; 38.59,49.73 38.59,50.21 v1(38.6,50.22)
  In2.Cu w0.2: J2#9.28 arc(40.15,66.44) 39.75,64.43 39.75,52.98 arc(39.45,51.49) v1(38.6,50.22)
Board_1-/RGB_5V: length 17.5
  Top w0.2: v1(29.97,62.58) 29.94,62.56 U5#9.4
  In2.Cu w0.2: v1(29.97,62.58) arc(29.68,62.15) 29.58,61.65 29.58,58.16 arc(29.81,57) 30.47,56.02 31.74,54.75 arc(32.05,54.28) 32.16,53.73 arc(32.04,53.12) 31.69,52.6 29.78,50.7 arc(28.9,49.38) J2#9.32
Board_1-/RGB_DO: length 15.4
  Top w0.2: U4#9.37 36.49,54.83 arc(36.23,54.78) v1(36.01,54.63) ; v1(30.05,61.24) 29.94,61.13 U5#9.3
  In1.Cu w0.2: v1(36.01,54.63) 35.66,54.98 arc(34.96,55.44) 34.14,55.6 30.9,55.6 arc(30.45,55.79) 30.26,56.25 30.26,56.76 arc(30.11,57.53) 29.67,58.18 28.9,58.96 arc(28.48,59.58) 28.34,60.31 arc(28.61,60.97) 29.26,61.24 v1(30.05,61.24)
Board_1-/RST: length 4.9
  Top w0.2: U4#9.26 35.54,50.72 arc(35.88,49.02) Q1#4.4 36.83,47.59 arc(36.66,47.7) 36.47,47.74 R3#9.2
Board_1-/SWD_CLK: length 2.2
  Top w0.2: v1(33.19,51.98) 33.28,51.89 arc(33.72,51.59) 34.24,51.49 arc(34.59,51.34) 34.74,50.99 U4#9.24
Board_1-/SWD_IO: length 1.7
  Top w0.2: U4#9.25 35.14,51.12 arc(34.89,51.72) v1(34.28,51.97)
Board_1-/USB+: length 0.9
  Top w0.2: U1#5.3 32.3,65.28 R12.1
Board_1-/USB-: length 0.9
  Top w0.2: U1#5.4 35.03,65.27 R13#10.1
Board_1-GND: length 7.7
  Top w0.2: U4#9.19 32.71,50.82 32.71,53.2 v1(33.74,54.23) ; Q1#4.3 36.84,48.92 arc(36.97,48.62) 37.27,48.5 37.41,48.5 arc(37.71,48.62) 37.84,48.92 Q1#4.1
  Top w0.3: v1(36.37,64.96) 37.15,64.96 U2#7.2 ; C7#2.1 32.96,47.1 Y1.2
  vias: v1(25.27,66.9) v1(25.3,61.81) v1(25.3,59.26) v1(25.33,54.18) v1(25.31,46.55) v1(27.31,44.6) v1(27.55,53.15) v1(27.67,55.24) v1(27.99,73.75) v1(29.56,49.36) v1(29.87,44.66) v1(33.15,54.83) v1(33.14,54.23) v1(33.13,53.63) v1(33.69,67.48) v1(33.72,63.53) v1(33.72,62.93) v1(33.72,62.33) v1(33.72,61.73) v1(33.72,61.13) v1(33.74,54.83) v1(33.74,53.63) v1(34.34,54.83) v1(34.34,54.23) v1(34.34,53.63) v1(34.95,44.63) v1(37.41,50.59) v1(37.47,44.62) v1(39.26,73.83) v1(39.72,49.02) v1(40.35,64.45) v1(41.92,49.07) v1(42.02,66.83) v1(42.02,61.78) v1(41.98,51.65) v2(28.67,69.53) v2(38.63,69.52)
